# Altium PCB Main.PcbDoc (part 1 of 2) (continued)
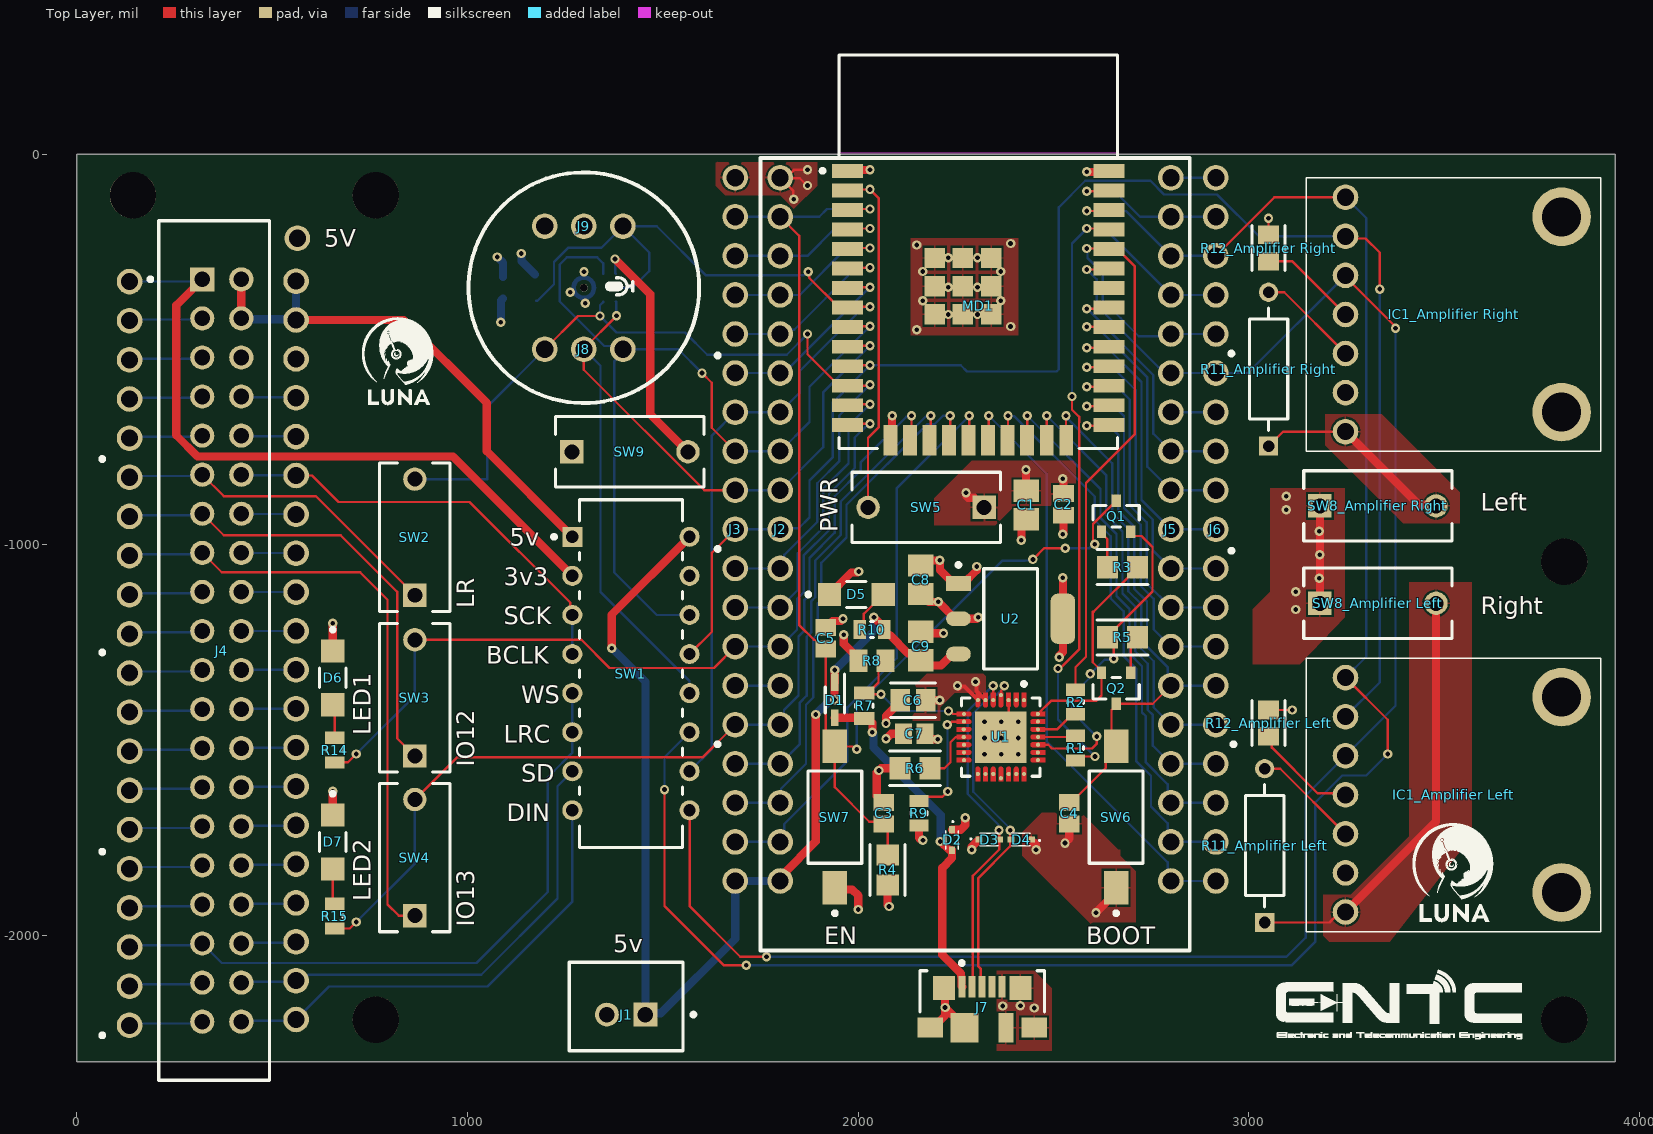
[diagram p0: Top Layer view]
## Components (designator, comment, footprint, x,y, rotation, side; value= is the part's Value field where it differs from the comment) (continued)
R9 "RT0805FRE072KL" RESC2013X60X35LL10T20 2155.04,-1686.57 r270 top value=2K
R10 "RT0805FRE072KL" RESC2013X60X35LL10T20 2035.04,-1216.57 r0 top value=2K
"R11_Amplifier Left" "TBD" FP-MRS25-MFG 3040.04,-1769.37 r90 top (schematic designator R11)
"R11_Amplifier Right" "TBD" FP-MRS25-MFG 3050.04,-550 r90 top (schematic designator R11)
"R12_Amplifier Left" "ERA-6AEB104V" FP-ERA6A-IPC_B 3050.04,-1455.87 r270 top (schematic designator R12)
"R12_Amplifier Right" "ERA-6AEB104V" FP-ERA6A-IPC_B 3050.04,-240 r270 top (schematic designator R12)
R13 "ERA-6AEB104V" FP-ERA6A-IPC_B 1175.47,-341.54 r90 bottom
R14 "RT0805FRE072KL" RESC2013X60X35LL10T20 660,-1525 r270 top value=2K
R15 "RT0805FRE072KL" RESC2013X60X35LL10T20 660,-1950 r270 top value=2K
SW1 "A6D-8103" FP-A6D-8103-MFG 1418.19,-1329.13 r0 top
SW2 "BD01" FP-BD01-MFG 865.04,-980 r0 top
SW3 "BD01" FP-BD01-MFG 865.04,-1391.38 r0 top
SW4 "BD01" FP-BD01-MFG 865.04,-1800 r0 top
SW5 "BD01" FP-BD01-MFG 2173.66,-903.86 r90 top
SW6 "FSMSM" TECO-FSMSM-2_V 2660.04,-1696.57 r90 top
SW7 "FSMSM" TECO-FSMSM-2_V 1940.04,-1696.57 r90 top
"SW8_Amplifier Left" "BD01" FP-BD01-MFG 3330.04,-1149.37 r270 top (schematic designator SW8)
"SW8_Amplifier Right" "BD01" FP-BD01-MFG 3330.04,-900 r270 top (schematic designator SW8)
SW9 "BD01" FP-BD01-MFG 1415.47,-761.54 r270 top
U1 "CP2102N-A01-GQFN28" FP-CP2102N-A01-GQFN28-MFG 2365.04,-1491.57 r270 top
U2 "AMS1117-3.3" FP-AMS1117-IPC_A 2390.04,-1188.86 r0 top
U3 "ICS-43434" FP-ICS-43434-MFG 1325.47,-341.54 r180 bottom

## Footprints (in the part's own frame and the unit in brackets; to place one, negate y for a bottom-side part, rotate by r counter-clockwise, add the part's x,y. Pads: shape width x height; smd on the part's side, far side on the other; paste and mask are expansions set on the pad)
"3 Pin Header" [mm]
  round 1.665 hole 1.11: 1(0,2.54) 2(0,0) 3(0,-2.54)
"19 Pin Header" [mm]
  round 1.665 hole 1.11: 1(0,22.86) 2(0,20.32) 3(0,17.78) 4(0,15.24) 5(0,12.7) 6(0,10.16) 7(0,7.62) 8(0,5.08) 9(0,2.54) 10(0,0) 11(0,-2.54) 12(0,-5.08) 13(0,-7.62) 14(0,-10.16) 15(0,-12.7) 16(0,-15.24) 17(0,-17.78) 18(0,-20.32) 19(0,-22.86)
3006 [mm]
  round 1.665 hole 1.11: 1(-7.62,2.46) 2(-5.08,2.46) 3(-2.54,2.46) 4(0,2.46) 5(2.54,2.46) 6(5.08,2.46) 7(7.62,2.46)
  round 3.81 hole 2.54: 8(-6.35,16.51) 9(6.35,16.51)
  silkscreen extent -8.89,-0.08 8.89,19.05, body extent -8.89,-0.08 8.89,19.05, height 3.1
CAPC2013X140X50LL20T25 [mm] "Chip Capacitor, 2-Leads, Body 2.00x1.25mm, IPC High Density"
  rect 1.1x1.35 smd: 1(-0.7,0) 2(0.7,0)
  body extent -1.1,-0.72 1.1,0.72, height 1.4
CAPC2014X150X70ML20 [mm] "Chip Capacitor, 2-Leads, Body 2.00x1.35mm, IPC Low Density"
  rect 1.45x1.65 smd: 1(-0.925,0) 2(0.925,0)
  body extent -1.1,-0.77 1.1,0.77, height 1.5
FP-473460001-MFG [mm]
  rect 0.45x1.38 smd paste+0 mask+0: 1(-1.3,2.31) 2(-0.65,2.31) 3(0,2.31) 4(0.65,2.31) 5(1.3,2.31)
  rect 1.425x1.55 smd paste+0 mask+0: 6(-2.488,2.225) 7(2.488,2.225)
  rect 1.65x1.3 smd paste+0 mask+0: 8(-3.375,-0.35) 11(3.375,-0.35)
  rect 1.8x1.9 smd paste+0 mask+0: 9(-1.15,-0.35)
  rect 1x1.9 smd paste+0 mask+0: 10(1.55,-0.35)
  silkscreen extent -4.05,0.67 4.05,3.97, body extent -4.3,-2.48 4.3,3.45, height 0.25
FP-A6D-8103-MFG [mm]
  rect 1.3x1.3 hole 0.8 paste-2539.97 mask+0: 1(-3.81,8.89)
  round 1.3 hole 0.8 paste-2539.97 mask+0: 2(-3.81,6.35) 3(-3.81,3.81) 4(-3.81,1.27) 5(-3.81,-1.27) 6(-3.81,-3.81) 7(-3.81,-6.35) 8(-3.81,-8.89) 9(3.81,-8.89) 10(3.81,-6.35) 11(3.81,-3.81) 12(3.81,-1.27) 13(3.81,1.27) 14(3.81,3.81) 15(3.81,6.35) 16(3.81,8.89)
  silkscreen extent -5.12,-11.3 3.35,11.3, body extent -4.56,-11.4 4.56,11.4, height 0.25
FP-AMS1117-IPC_A [mm]
  rect 1.604x0.952 smd paste+0 mask+0: 1(-3.395,2.29)
  rrect100% 1.604x0.952 smd paste+0 mask+0: 2(-3.395,0) 3(-3.395,-2.29)
  rrect59% 1.604x3.262 smd paste+0 mask+0: 4(3.395,0)
  silkscreen extent -3.52,-3.25 1.75,3.62, body extent -4.7,-3.75 4.7,3.75, height 0.25
FP-B2B-XH-A_LF_SN-MFG [mm]
  rect 1.55x1.55 hole 1 paste-2539.97 mask+0: 1(-1.25,0.525)
  round 1.55 hole 1 paste-2539.97 mask+0: 2(1.25,0.525)
  silkscreen extent -4.5,-2.88 3.7,2.88, body extent -3.8,-2.98 3.8,2.98, height 0.25
FP-BD01-MFG [mm]
  rect 1.52x1.52 hole 0.97 paste-2539.97 mask+0: 1(0,-3.775)
  round 1.52 hole 0.97 paste-2539.97 mask+0: 2(0,3.775)
  silkscreen extent -2.28,-4.82 2.28,4.82, body extent -2.38,-4.92 2.38,4.92, height 0.25
FP-CL21-IPC_B [mil]
  rect 49.4x57.33 smd paste+0 mask+0: 1(-32.51,0) 2(32.51,0)
  silkscreen extent -57,-44 57,44, body extent -67,-39 67,39, height 10
FP-CP2102N-A01-GQFN28-MFG [mm]
  round 0.27 smd paste+0 mask+0: 1(-2.4,1.5) 2(-2.4,1) 3(-2.4,0.5) 4(-2.725,0) 5(-2.4,-0.5) 6(-2.4,-1) 7(-2.4,-1.5) 8(-1.5,-2.4) 9(-1,-2.4) 10(-0.5,-2.416) 11(0,-2.416) 12(0.5,-2.4) 13(1,-2.4) 14(1.5,-2.4) 15(2.4,-1.5) 16(2.4,-1) 17(2.4,-0.5) 18(2.675,0) 19(2.4,0.5) 20(2.4,1) 21(2.4,1.5) 22(1.5,2.4) 23(1,2.4) 24(0.5,2.416) 25(0,2.416) 26(-0.5,2.4) 27(-1,2.4) 28(-1.5,2.4)
  rect 3.35x3.35 smd paste-1000 mask+0: 29(0,0)
  Top Layer region: -2.875,-0.85 -2.075,-0.85 -2.018,-0.861 -1.969,-0.894 -1.936,-0.943 -1.925,-1 -1.925,-1 -1.936,-1.057 -1.969,-1.106 -2.018,-1.139 -2.075,-1.15 -2.075,-1.15 -2.875,-1.15
  Top Layer region: -2.875,-1.35 -2.075,-1.35 -2.018,-1.361 -1.969,-1.394 -1.936,-1.443 -1.925,-1.5 -1.925,-1.5 -1.936,-1.557 -1.969,-1.606 -2.018,-1.639 -2.075,-1.65 -2.075,-1.65 -2.875,-1.65
  Top Layer region: -2.875,0.65 -2.075,0.65 -2.018,0.639 -1.969,0.606 -1.936,0.557 -1.925,0.5 -1.925,0.5 -1.936,0.443 -1.969,0.394 -2.018,0.361 -2.075,0.35 -2.075,0.35 -2.875,0.35
  Top Layer region: -2.875,0.15 -2.075,0.15 -2.018,0.139 -1.969,0.106 -1.936,0.057 -1.925,0 -1.925,0 -1.936,-0.057 -1.969,-0.106 -2.018,-0.139 -2.075,-0.15 -2.075,-0.15 -2.875,-0.15
  Top Layer region: -2.875,-0.35 -2.075,-0.35 -2.018,-0.361 -1.969,-0.394 -1.936,-0.443 -1.925,-0.5 -1.925,-0.5 -1.936,-0.557 -1.969,-0.606 -2.018,-0.639 -2.075,-0.65 -2.075,-0.65 -2.875,-0.65
  Top Layer region: -0.35,2.875 -0.35,2.075 -0.361,2.018 -0.394,1.969 -0.443,1.936 -0.5,1.925 -0.5,1.925 -0.557,1.936 -0.606,1.969 -0.639,2.018 -0.65,2.075 -0.65,2.075 -0.65,2.875
  Top Layer region: 0.15,2.875 0.15,2.075 0.139,2.018 0.106,1.969 0.057,1.936 0,1.925 0,1.925 -0.057,1.936 -0.106,1.969 -0.139,2.018 -0.15,2.075 -0.15,2.075 -0.15,2.875
  Top Layer region: 0.65,2.875 0.65,2.075 0.639,2.018 0.606,1.969 0.557,1.936 0.5,1.925 0.5,1.925 0.443,1.936 0.394,1.969 0.361,2.018 0.35,2.075 0.35,2.075 0.35,2.875
  Top Layer region: -2.875,1.15 -2.075,1.15 -2.018,1.139 -1.969,1.106 -1.936,1.057 -1.925,1 -1.925,1 -1.936,0.943 -1.969,0.894 -2.018,0.861 -2.075,0.85 -2.075,0.85 -2.875,0.85
  Top Layer region: -1.15,-2.875 -1.15,-2.075 -1.139,-2.018 -1.106,-1.969 -1.057,-1.936 -1,-1.925 -1,-1.925 -0.943,-1.936 -0.894,-1.969 -0.861,-2.018 -0.85,-2.075 -0.85,-2.075 -0.85,-2.875
  Top Layer region: -1.65,-2.875 -1.65,-2.075 -1.639,-2.018 -1.606,-1.969 -1.557,-1.936 -1.5,-1.925 -1.5,-1.925 -1.443,-1.936 -1.394,-1.969 -1.361,-2.018 -1.35,-2.075 -1.35,-2.075 -1.35,-2.875
  Top Layer region: -0.15,-2.875 -0.15,-2.075 -0.139,-2.018 -0.106,-1.969 -0.057,-1.936 0,-1.925 0,-1.925 0.057,-1.936 0.106,-1.969 0.139,-2.018 0.15,-2.075 0.15,-2.075 0.15,-2.875
  Top Layer region: -1.35,2.875 -1.35,2.075 -1.361,2.018 -1.394,1.969 -1.443,1.936 -1.5,1.925 -1.5,1.925 -1.557,1.936 -1.606,1.969 -1.639,2.018 -1.65,2.075 -1.65,2.075 -1.65,2.875
  Top Layer region: -0.85,2.875 -0.85,2.075 -0.861,2.018 -0.894,1.969 -0.943,1.936 -1,1.925 -1,1.925 -1.057,1.936 -1.106,1.969 -1.139,2.018 -1.15,2.075 -1.15,2.075 -1.15,2.875
  Top Layer region: -2.875,1.65 -2.075,1.65 -2.018,1.639 -1.969,1.606 -1.936,1.557 -1.925,1.5 -1.925,1.5 -1.936,1.443 -1.969,1.394 -2.018,1.361 -2.075,1.35 -2.075,1.35 -2.875,1.35
  Top Layer region: 1.15,2.875 1.15,2.075 1.139,2.018 1.106,1.969 1.057,1.936 1,1.925 1,1.925 0.943,1.936 0.894,1.969 0.861,2.018 0.85,2.075 0.85,2.075 0.85,2.875
  Top Layer region: 1.65,2.875 1.65,2.075 1.639,2.018 1.606,1.969 1.557,1.936 1.5,1.925 1.5,1.925 1.443,1.936 1.394,1.969 1.361,2.018 1.35,2.075 1.35,2.075 1.35,2.875
  Top Layer region: 2.875,1.35 2.075,1.35 2.018,1.361 1.969,1.394 1.936,1.443 1.925,1.5 1.925,1.5 1.936,1.557 1.969,1.606 2.018,1.639 2.075,1.65 2.075,1.65 2.875,1.65
  Top Layer region: 2.875,0.85 2.075,0.85 2.018,0.861 1.969,0.894 1.936,0.943 1.925,1 1.925,1 1.936,1.057 1.969,1.106 2.018,1.139 2.075,1.15 2.075,1.15 2.875,1.15
  Top Layer region: 2.875,0.35 2.075,0.35 2.018,0.361 1.969,0.394 1.936,0.443 1.925,0.5 1.925,0.5 1.936,0.557 1.969,0.606 2.018,0.639 2.075,0.65 2.075,0.65 2.875,0.65
  Top Layer region: 2.875,-0.15 2.075,-0.15 2.018,-0.139 1.969,-0.106 1.936,-0.057 1.925,0 1.925,0 1.936,0.057 1.969,0.106 2.018,0.139 2.075,0.15 2.075,0.15 2.875,0.15
  Top Layer region: 2.875,-0.65 2.075,-0.65 2.018,-0.639 1.969,-0.606 1.936,-0.557 1.925,-0.5 1.925,-0.5 1.936,-0.443 1.969,-0.394 2.018,-0.361 2.075,-0.35 2.075,-0.35 2.875,-0.35
  Top Layer region: 2.875,-1.15 2.075,-1.15 2.018,-1.139 1.969,-1.106 1.936,-1.057 1.925,-1 1.925,-1 1.936,-0.943 1.969,-0.894 2.018,-0.861 2.075,-0.85 2.075,-0.85 2.875,-0.85
  Top Layer region: 2.875,-1.65 2.075,-1.65 2.018,-1.639 1.969,-1.606 1.936,-1.557 1.925,-1.5 1.925,-1.5 1.936,-1.443 1.969,-1.394 2.018,-1.361 2.075,-1.35 2.075,-1.35 2.875,-1.35
  Top Layer region: 1.35,-2.875 1.35,-2.075 1.361,-2.018 1.394,-1.969 1.443,-1.936 1.5,-1.925 1.5,-1.925 1.557,-1.936 1.606,-1.969 1.639,-2.018 1.65,-2.075 1.65,-2.075 1.65,-2.875
  Top Layer region: 0.85,-2.875 0.85,-2.075 0.861,-2.018 0.894,-1.969 0.943,-1.936 1,-1.925 1,-1.925 1.057,-1.936 1.106,-1.969 1.139,-2.018 1.15,-2.075 1.15,-2.075 1.15,-2.875
  Top Layer region: 0.35,-2.875 0.35,-2.075 0.361,-2.018 0.394,-1.969 0.443,-1.936 0.5,-1.925 0.5,-1.925 0.557,-1.936 0.606,-1.969 0.639,-2.018 0.65,-2.075 0.65,-2.075 0.65,-2.875
  Top Layer region: -0.65,-2.875 -0.65,-2.075 -0.639,-2.018 -0.606,-1.969 -0.557,-1.936 -0.5,-1.925 -0.5,-1.925 -0.443,-1.936 -0.394,-1.969 -0.361,-2.018 -0.35,-2.075 -0.35,-2.075 -0.35,-2.875
  silkscreen extent -3.57,-2.55 2.55,2.55, body extent -2.98,-2.98 2.98,2.98, height 0.25
FP-ERA6A-IPC_B [mil]
  rect 47.43x53.63 smd paste+0 mask+0: 1(-33.5,0) 2(33.5,0)
  silkscreen extent -57,-43 57,43, body extent -67,-37 67,37, height 10
FP-ESP32-WROOM-32-MFG [mm]
  rect 2x0.9 smd paste+0 mask+0: 1(-8.5,5.26) 2(-8.5,3.99) 3(-8.5,2.72) 4(-8.5,1.45) 5(-8.5,0.18) 6(-8.5,-1.09) 7(-8.5,-2.36) 8(-8.5,-3.63) 9(-8.5,-4.9) 10(-8.5,-6.17) 11(-8.5,-7.44) 12(-8.5,-8.71) 13(-8.5,-9.98) 14(-8.5,-11.25) 25(8.5,-11.25) 26(8.5,-9.98) 27(8.5,-8.71) 28(8.5,-7.44) 29(8.5,-6.17) 30(8.5,-4.9) 31(8.5,-3.63) 32(8.5,-2.36) 33(8.5,-1.09) 34(8.5,0.18) 35(8.5,1.45) 36(8.5,2.72) 37(8.5,3.99) 38(8.5,5.26)
  rect 0.9x2 smd paste+0 mask+0: 15(-5.715,-12.25) 16(-4.445,-12.25) 17(-3.175,-12.25) 18(-1.905,-12.25) 19(-0.635,-12.25) 20(0.635,-12.25) 21(1.905,-12.25) 22(3.175,-12.25) 23(4.445,-12.25) 24(5.715,-12.25)
  rect 1.33x1.33 smd paste+0 mask+0: 39(-2.835,-4.075) 39(-2.835,-2.24) 39(-2.835,-0.405) 39(-1,-4.075) 39(-1,-2.24) 39(-1,-0.405) 39(0.835,-4.075) 39(0.835,-2.24) 39(0.835,-0.405)
  Keep-Out Layer region: -9,6.45 9,6.45 9,12.75 -9,12.75
  Keep-Out Layer region: -9,6.45 9,6.45 9,12.75 -9,12.75
  silkscreen extent -10.25,-12.8 9.05,12.8, body extent -9.6,-13.35 9.6,12.9, height 0.25
FP-HSMS-C150-MFG [mm]
  rect 1.5x1.5 smd paste+0 mask+0: 1(-1.75,0) 2(1.75,0)
  silkscreen extent -3.25,-0.85 0.63,0.85, body extent -2.6,-0.95 2.6,0.95, height 0.25
FP-ICS-43434-MFG [mm]
  rect 0.522x0.6 smd paste-1000 mask+0: 1(-1.364,-0.9) 2(-0.542,-0.9) 4(-0.542,0.9) 5(-1.364,0.9) 6(-1.364,0)
  round 1.178 smd paste-1000 mask-1000: 3(0.71,0)
  round 0.5 hole 0.5 unplated paste-2539.97 mask+0: ""(0.71,0)
  Top Layer circle w0.3: c0.71,0 r0.663
  silkscreen extent -2.33,-1.33 1.75,1.33, body extent -1.75,-1.33 1.75,1.33, height 0.98
FP-MRS25-MFG [mm]
  rect 1.25x1.25 hole 0.75 paste-2539.97 mask+0: 1(-5,0)
  round 1.25 hole 0.75 paste-2539.97 mask+0: 2(5,0)
  silkscreen extent -3.98,-1.25 3.98,1.25, body extent -5.72,-1.35 5.72,1.35, height 0.25
FP-RMCF0805-IPC_A [mil]
  rect 53.33x57.56 smd paste+0 mask+0: 1(-38.42,0) 2(38.42,0)
  silkscreen extent -65,-45 65,45, body extent -85,-48 85,48, height 10
FP-SFH11-PBPC-D20-ST-BK-MFG [mm]
  rect 1.57x1.57 hole 1.02 paste-2539.97 mask+0: 1(-24.13,-0.77)
  round 1.57 hole 1.02 paste-2539.97 mask+0: 2(-24.13,1.77) 3(-21.59,-0.77) 4(-21.59,1.77) 5(-19.05,-0.77) 6(-19.05,1.77) 7(-16.51,-0.77) 8(-16.51,1.77) 9(-13.97,-0.77) 10(-13.97,1.77) 11(-11.43,-0.77) 12(-11.43,1.77) 13(-8.89,-0.77) 14(-8.89,1.77) 15(-6.35,-0.77) 16(-6.35,1.77) 17(-3.81,-0.77) 18(-3.81,1.77) 19(-1.27,-0.77) 20(-1.27,1.77) 21(1.27,-0.77) 22(1.27,1.77) 23(3.81,-0.77) 24(3.81,1.77) 25(6.35,-0.77) 26(6.35,1.77) 27(8.89,-0.77) 28(8.89,1.77) 29(11.43,-0.77) 30(11.43,1.77) 31(13.97,-0.77) 32(13.97,1.77) 33(16.51,-0.77) 34(16.51,1.77) 35(19.05,-0.77) 36(19.05,1.77) 37(21.59,-0.77) 38(21.59,1.77) 39(24.13,-0.77) 40(24.13,1.77)
  silkscreen extent -27.94,-4.27 27.94,3.6, body extent -28.04,-3.7 28.04,3.7, height 0.25
FP-SS8050-G-MFG [mm]
  rect 0.8x0.6 smd paste+0 mask+0: 1(-1.01,0.95) 2(-1.01,-0.95) 3(1.01,0)
  silkscreen extent -0.7,-1.5 0.7,1.5, body extent -1.51,-1.6 1.51,1.6, height 0.25
LESD5D50CT1G [mm]
  rect 0.48x0.4 smd: 1(-0.66,0) 2(0.66,0)
  silkscreen extent -1.24,-0.4 0.6,0.4, body extent -0.8,-0.4 0.8,0.4, height 0.6
RESC2013X50X30LL20T20 [mm] "Chip Resistor, 2-Leads, Body 2.00x1.25mm, IPC High Density"
  rect 0.85x1.35 smd: 1(-0.825,0) 2(0.825,0)
  silkscreen extent -0.1,-0.58 0.1,0.58, body extent -1.1,-0.72 1.1,0.72, height 0.5
RESC2013X60X35LL10T20 [mm] "Chip Resistor, 2-Leads, Body 2.1x1.35mm, IPC High Density"
  rect 0.8x1.25 smd: 1(-0.8,0) 2(0.8,0)
  silkscreen extent -0.1,-0.53 0.1,0.53, body extent -1.05,-0.67 1.05,0.68, height 0.6
RESC2013X70X40NL20T20 [mm] "Chip Resistor, 2-Leads, Body 2.00x1.25mm, IPC Medium Density"
  rect 1.15x1.45 smd: 1(-0.875,0) 2(0.875,0)
  body extent -1.1,-0.72 1.1,0.72, height 0.7
SOD2512X110N [mm]
  rect 1.1x0.5 smd: 1(-1.15,0) 2(1.15,0)
  silkscreen extent -1.7,-0.63 0.85,0.63, body extent -1.24,-0.62 1.24,0.63, height 0.93
TECO-FSMSM-2_V [mm] "SMD, 2-Leads, Body 6x3.5mm, Pitch 9.19mm"
  rect 2.2x1.6 smd: 1(-4.595,0)
  rect 2.18x1.6 smd: 2(4.595,0)
  silkscreen extent -6.37,-1.75 3,1.75, body extent -4.98,-1.75 4.98,1.75, height 4.4

## Part data
C1 C8 C9: library part CMP-2007-00033-1, "22uF 10V 20% Tantalum 0805", Manufacturer="AVX Interconnect / Elco", Part Number=TACR226M010XTA
C2 C3 C4 C5 C7 C10: library part CMP-2007-04784-1, "100nF 0805 Ceramic 50V 10%", Manufacturer="AVX Interconnect / Elco", Part Number=08055F104KAT2A
C6: library part CMP-13271-001343-1, "CL21 Series 0805 4.7uF 6.3V ±10% Tolerance X5R Multilayer Ceramic Chip Capacitor", Capacitance=4.7uF, Case/Package=0805, Dielectric=X5R, Max Operating Temperature=85°C, Min Operating Temperature=-55°C, Package Quantity=10000, Tolerance=10%, Voltage Rating=6.3V, Depth=1.25mm, Height=1.25mm, Length=2mm, Mount="Surface Mount", Packaging="Tape and Reel", Radiation Hardening=No, Thickness=0.053inch, Width=0.049inch
D1: library part BAT760,115, "Schottky Diode", Manufacturer_Name=Nexperia, Mouser Part Number=771-BAT760-T/R, Arrow Part Number=BAT760,115, Arrow Price/Stock=https://www.arrow.com/en/products/bat760115/nexperia?region=europe, Datasheet Link=https://assets.nexperia.com/documents/data-sheet/BAT760.pdf, Height=1.1mm, Manufacturer_Part_Number=BAT760,115, Mouser Price/Stock=https://www.mouser.co.uk/ProductDetail/Nexperia/BAT760115?qs=me8TqzrmIYUT08NCquDVCQ%3D%3D
D2 D3 D4: "TVS Diode (Bi-directional)", Manufacturer_Name=LRC, Height=0.7mm, Manufacturer_Part_Number=LESD5D5.0CT1G
D5 D6 D7: library part CMP-21615-000001-1, "LED RED", Case Code (Imperial)=1206, Case Code (Metric)=3216, Color="RED LED", Forward Current=20mA, Forward Voltage=2.1V, Illumination Color=Red, Lens Color=White, Max Operating Temperature=85°C, Min Operating Temperature=-40°C, Package Quantity=1, Power Dissipation=65mW, Reverse Voltage=5V, Case/Package=1206, Depth=1.6mm, Dominant Wavelength=626nm, Height=1.1mm, Lead Free="Lead Free", Length=3.2mm, Lens Style=Rectangular, Lens Transparency=Diffused, Luminous Intensity=10mcd, Mount="Surface Mount", Number of Elements=1, Number of LEDs=1, Number of Pins=2, Packaging="Tape and Reel", Power Rating=65mW, Radiation Hardening=No, REACH SVHC="No SVHC", Test Current=20mA, Viewing Angle=170°, Wavelength=626nm, Width=1.6mm
"IC1_Amplifier Left" "IC1_Amplifier Right": library part 3006, "Integrated Circuit", Manufacturer_Name=Adafruit, Mouser Part Number=485-3006, Arrow Part Number=3006, Arrow Price/Stock=https://www.arrow.com/en/products/3006/adafruit-industries, Datasheet Link=https://cdn-learn.adafruit.com/downloads/pdf/adafruit-max98357-i2s-class-d-mono-amp.pdf, Height=3mm, Manufacturer_Part_Number=3006, Mouser Price/Stock=https://www.mouser.co.uk/ProductDetail/Adafruit/3006?qs=SV%252B0z0o3NTtodS8r%2Ftqo5A%3D%3D
J1: library part CMP-2000-05888-3, "CONN HEADER VERT 2POS 2.5MM", Color=Natural, Contact Resistance=20mR, Current Rating=3A, Housing Color=White, Insulation Resistance=1GR, Max Operating Temperature=85°C, Max Voltage Rating (AC)=250V, Min Operating Temperature=-25°C, Connector Type="Male Pin", Contact Material=Brass, Contact Plating=Tin, Contact Type="Male Pin", Depth=5.75mm, Fastening Type=Detent, Housing Material=Polyamide, Lead Free="Lead Free", Lead Pitch=2.5mm, Length=7.4mm, Max Current Rating=3A, Max Voltage Rating (DC)=250V, Mount="Through Hole", Number of Contacts=2, Number of Positions=2, Number of Rows=1, Orientation=Straight, Packaging=Bulk, Pitch=2.5mm, REACH SVHC="No SVHC", Series=XH, Termination=Solder, Voltage Rating=250V, Voltage Rating (AC)=250V, Wire/Cable Gauge=22AWG
J4: library part CMP-25680-000025-1, "CONN HDR 40POS 0.1 GOLD PCB", Color=Black, Package Quantity=1, Connector Type=Header, Contact Plating=Gold, Lead Free="Lead Free", Mount="Through Hole", Number of Positions=40, Number of Rows=2, Packaging=Tray, Pitch=0.1inch, Row Spacing=0.1inch, Termination=Solder
J7: library part CMP-2000-05246-2, "CONN RCPT USB2.0 MICRO B SMD R/A", Current Rating=1.8A, Manufacturer=Molex, Manufacturer Part Number=473460001, Package=0, Temperature="-30°C to +85°C", Temperature Range High=+85°C, Temperature Range Low=-30°C, Voltage Rating=30V, Automotive=No, Category=Conn, ComponentLink2Description=Datasheet, ComponentLink2URL=https://www.molex.com/webdocs/datasheets/pdf/en-us/0473460001_IO_CONNECTORS.pdf, Conn Orientation="Right Angle", Contact Material=Gold,Nickel, Device Class L1=Connectors, Device Class L2="USB Connectors", Device Class L3=unset, Digikey Description="CONN RCPT USB2.0 MICRO B SMD R/A", Footprint Url=https://www.molex.com/pdm_docs/sd/473460001_sd.pdf, Height=2.945mm, Is Female=yes, Lead Free=Yes, Number of Contacts=5, Octopart=https://octopart.com/47346-0001-molex-7164928, Pitch=0.65mm, RoHS=TRUE, Shielding=true, USB Standard="USB 2.0"
MD1: library part CMP-194065-000008-1, "RX TXRX MOD WIFI SURFACE MOUNT", Case/Package=SMD/SMT, Frequency=2.5GHz, Max Operating Temperature=85°C, Min Operating Temperature=-40°C, Operating Supply Voltage=3.6V, Package Quantity=550, Data Rate=150Mbps, Mount="Surface Mount", Packaging="Cut Tape", Sensitivity=-98dBm, Weight=0.088185oz
Q1 Q2: library part CMP-20235-000001-1, "NPN TRANSISTOR 1.5A 40V SOT-23 R", Case/Package=TO-236-3, Collector Emitter Breakdown Voltage=25V, Collector Emitter Voltage (VCEO)=400mV, Max Collector Current=1.5A, Max Power Dissipation=300mW, Transition Frequency=100MHz, Max Breakdown Voltage=25V, Mount="Surface Mount", Packaging="Tape and Reel", RoHS Compliant=Yes
R1 R2: library part CMP-2000-06963-1, "Chip Resistor, 0 Ohm, +/- 5%, 125 mW, -55 to 155 degC, 0805 (2012 Metric), RoHS, Tape and Reel", Case Style=Molded, Manufacturer=Yageo, Operating Temp Range=-55Cto155C, Package / Case=0805, Package Description="2-Pin Surface Mounted Device, Body 2 x 1.25 mm", Power Rating(s)=NotRequiredW, Temperature Coefficient=NotRequired, Construction=Rectangular, Datasheet URL=http://www.yageo.com/documents/recent/PYu-RC_Group_51_RoHS_L_7.pdf, Datasheet Version="Rev. 7, 05/2017", Failure Rate=NotRequired, Manufacturer URL=http://www.yageo.com/, Military Standard=NotRequired, Mounting Technology=SurfaceMount, Package Reference=0805, Packaging=TapeandReel, Product Depth (mm)=1.25mm, Product Height (mm)=0.5mm, Product Length (mm)=2mm, Termination Style=NotRequired, Tolerance (+ or -)=NotRequired, Type=ThickFilm
R3 R4 R5 R6: library part CMP-26527-002663-1, "10kΩ ±5% 0.125W 0805 Thick Film Chip Resistor AEC-Q200 compliant", Case Code (Imperial)=0805, Case Code (Metric)=2012, Max Operating Temperature=155°C, Max Power Dissipation=125mW, Min Operating Temperature=-55°C, Resistance=10K, Resistor Type="Thick Film", Temperature Coefficient=100ppm/°C, Tolerance=5%, Case/Package=0805, Construction=Rectangular, Contact Plating=Tin, Depth=1.25mm, Features="Automotive AEC-Q200", Height=0.026inch, Lead Free="Lead Free", Length=2mm, Military Standard=Not, Mount="Surface Mount", Number of Terminations=2, Packaging="Tape and Reel", Power Rating=125mW, Radiation Hardening=No, RoHS Compliant=Yes, Series=RMCF, Size Code=0805, Width=0.049inch
R7: library part CMP-1013-00660-2, "22.1K 0805 5%", Manufacturer="Vishay Dale", Part Number=CRCW080522K1FKTA
R8: library part CMP-1013-00700-2, "47.5K 0805 5%", Manufacturer=Panasonic, Part Number=ERJ-6ENF4752V
R9 R10 R14 R15: library part CMP-2001-01475-1, Manufacturer=Yageo, Part Number=RT0805FRE072KL
"R11_Amplifier Left" "R11_Amplifier Right": library part CMP-00030-42757237-1, "MRS25000C1000FRP00 Resistor, 100 Ohm, ± 1%, 600 mW, Axial Leaded, Metal Film (Thin Film), Professional", Case/Package=Axial, Max Operating Temperature=155°C, Max Power Dissipation=600mW, Min Operating Temperature=-55°C, Resistance=100Ω, Temperature Coefficient=50ppm/°C, Tolerance=1%, Voltage Rating=350V, Composition="Metal Film, Thin Film", Contact Plating=Tin, Diameter=2.5mm, Lead Diameter=600µm, Lead Free="Lead Free", Length=6.5mm, Military Standard=Not, Mount="Through Hole", NexarPartId=42757237, Number of Pins=2, Number of Terminations=2, Packaging="Tape & Reel (TR)", Power Rating=600mW, Radiation Hardening=No, REACH SVHC=Unknown, RoHS=Compliant, Schedule B="8533210090, 8533210090", Termination=Axial, Voltage Rating (DC)=350V, Width=2.5mm
"R12_Amplifier Left" "R12_Amplifier Right" R13: library part CMP-2001-00583-2, "RES 100K OHM 0.1% 1/8W 0805", Case Code (Imperial)=0805, Case Code (Metric)=2012, Max Operating Temperature=155°C, Max Power Dissipation=125mW, Min Operating Temperature=-55°C, Package Quantity=1, Resistance=100K, Resistance Tolerance=0.1%, Resistor Type="Thin Film", Temperature Coefficient=25ppm/°C, Voltage Rating=100V, Case/Package=0805, Construction=Rectangular, Contact Plating=Tin, Depth=1.25mm, Features="Automotive AEC-Q200", Height=0.5mm, Lead Free="Lead Free", Length=2mm, Military Standard=Not, Mount="Surface Mount", Number of Pins=2, Number of Terminations=2, Packaging="Tape and Reel", Power Rating=125mW, Radiation Hardening=No, REACH SVHC="No SVHC", RoHS Compliant=Yes, Series=ERA-6A, Size Code=0805, Technology="METAL FILM", Termination=Solder, Tolerance=0.1%, Voltage Rating (DC)=100V, Width=1.25mm
SW1: library part CMP-08827-000003-1, "SWITCH SLIDE DIP SPST 30MA 30V", Ambient Temperature Range High=+70°C, Ambient Temperature Range Low=-20°C, Contact Current Rating=30mA, Contact Resistance=100mΩ, Manufacturer="Omron Electronics Inc-EMC Div", Package=0, Temperature="-20°C to +70°C", Automotive=No, Category=Switch, ComponentLink2Description=Datasheet, ComponentLink2URL=https://omronfs.omron.com/en_US/ecb/products/pdf/en-a6d_a6dr.pdf, Device Class L1=Electromechanical, Device Class L2=Switches, Device Class L3="DIP Switches", Digikey Description="SWITCH SLIDE DIP SPST 30MA 30V", Electromechanical Life=2000Cycles, Lead Free=Yes, Manufacturer Part Number=A6D-8103, Mount="Through Hole", Mouser Description="DIP Switches / SIP Switches 8 Pins Sealed Raised Actuator", Number Of Circuits=8, Octopart=https://octopart.com/a6d-8103-omron-134189, RoHS=TRUE, Standoff Height=0.7mm, Temperature Range High=+70°C, Temperature Range Low=-20°C, Throw Configuration=8PST
SW2 SW3 SW4 SW5 "SW8_Amplifier Left" "SW8_Amplifier Right" SW9: library part CMP-10033-000004-1, "SWITCH SLIDE DIP SPST 100MA 5V", Capacitance=5pF, Case/Package=DIP, Contact Current Rating=25mA, Current Rating=100mA, Max Operating Temperature=85°C, Max Voltage Rating (DC)=25V, Min Operating Temperature=-40°C, Package Quantity=115, Voltage Rating (DC)=5V, Actuator Length=0.9mm, Actuator Material=Nylon, Actuator Type="Slide (Standard)", Approvals=UL, Body Material=PBT, Contact Material=Bronze, Contact Plating=Gold, Depth=9.65mm, Electrical Life=10000Cycles, Lead Free="Lead Free", Length=0.18inch, Life (Cycles)=10000Cycles, Material=Nylon, Max Current Rating=100mA, Mechanical Life=10000Cycles, Mount="Through Hole", Number Of Circuits=1, Number of Poles=1, Number of Positions=1, Orientation=Straight, Packaging=Rail/Tube, Pitch=0.1inch, Radiation Hardening=No, REACH SVHC="No SVHC", RoHS Compliant=Yes, Series=BD, Terminal Pitch=2.54mm, Termination="PC Pin", Throw Configuration=SPST, Washable=Yes, Width=9.65mm
SW6 SW7: library part CMP-2000-07511-1, "FSMSM Push Button Switch, 50 mA, -35 to 85 degC, 2-Pin SMD, RoHS, Bulk", Case\/Package=SMD/SMT, Contact Current Rating=50mA, Contact Resistance=100mOhm, Manufacturer="TE Connectivity", Max Operating Temperature=85degC, Max Voltage Rating (DC)=12V, Min Operating Temperature=-35degC, Operating Force=180gf, Package Description="2-Pin Surface Mount Device, Body 6 x 3.5 mm, Pitch 9.19 mm", Package Quantity=1000, Voltage Rating (DC)=24V, Actuator Length=1.07mm, Actuator Material=Polyamide, Contact Material=Brass, Contact Plating=Silver, Current Rating=50mA, Datasheet URL=http://www.te.com/commerce/DocumentDelivery/DDEController?Action=showdoc&DocId=Customer+Drawing%7F1437566-3%7FC2%7Fpdf%7FEnglish%7FENG_CD_1437566-3_C2_1437566_3_1_c.dwg.pdf%7F1437566-3, Datasheet Version="Rev. C2, 08/2014", Electrical Life=20000Cycles, ELV=Compliant, Illumination Type=Illuminated, Lead Free=LeadFree, Manufacturer URL=http://www.te.com/, Mechanical Life=20000Cycles, Mount=SurfaceMount, Mounting Technology=SurfaceMount, Orientation=Straight, Package Reference=FSMSM, Packaging=LoosePiece, REACH SVHC=Unknown, RoHSCompliant=true, Switch Travel=0.25mm, Termination=GullWing, Throw Configuration=SPST
U1: library part CMP-08093-000004-1, "IC BRIDGE USB TO UART 28QFN", Ambient Temperature Range High=+85°C, Ambient Temperature Range Low=-40°C, Manufacturer="Silicon Labs", Max Junction Temp=+105°C, Max Supply Voltage=5.25V, Min Supply Voltage=1.71V, Nominal Supply Current=195-13700uA, Temperature="-40°C to +85°C", Automotive=No, Category=IC, ComponentLink2Description=Datasheet, ComponentLink2URL=https://media.digikey.com/pdf/Data%20Sheets/Silicon%20Laboratories%20PDFs/CP2102N_Rev.1.3_DS.pdf, Device Class L1="Integrated Circuits (ICs)", Device Class L2="Interface ICs", Device Class L3="USB Interface ICs", Digikey Description="IC BRIDGE USB TO UART 28QFN", Height=0.8mm, Interface=UART,USB,RS-232,RS-485, Ipc Land Pattern Name=QFN50P500X500X75-28, Lead Free=Yes, Manufacturer Part Number=CP2102N-A01-GQFN28, Mouser Description="IC BRIDGE USB TO UART 28QFN", Number Of Ports=1, Octopart=https://octopart.com/cp2102n-a01-gqfn28-silicon+labs-74636024, Package=CP2102N-A01-GQFN28, RoHS=TRUE, Standoff Height=0mm, Temperature Range High=+85°C, Temperature Range Low=-40°C, USB Standard="USB 2.0"
U2: library part CMP-209535-000001-1, "LDO Voltage Regulators 1A, 3.3V", Dropout Voltage=1.1V, Manufacturer="Advanced Monolithic Systems", Max Junction Temp=+125°C, Max Power Dissipation=1.2W, Max Supply Voltage=15V, Nominal Supply Current=5mA, Output Current=1A, Output Voltage=3.3V, Package=AMS1117, Temperature="-40°C to +125°C", Temperature Range Low=-40°C, Automotive=No, Category=IC, ComponentLink2Description=Datasheet, ComponentLink2URL=http://www.advanced-monolithic.com/pdf/ds1117.pdf, Device Class L1="Integrated Circuits (ICs)", Device Class L2="Power Management ICs", Device Class L3="Voltage Regulators - Linear", Height=1.8mm, Ipc Land Pattern Name=SOT229P700X180-4, Lead Free=Yes, Manufacturer Part Number=AMS1117-3.3, Number Of Outputs=1, Octopart=https://octopart.com/ams1117-3.3-advanced+monolithic+systems-25899300, Output Type=Fixed, RoHS=TRUE, Standoff Height=0.64mm, Temperature Range High=+125°C
U3: library part CMP-03292-71346757-1, "ICS-43434 Mic Omni-Directional -26dB 3.63V Rectangular Solder Pad T/R", Max Operating Temperature=85°C, Max Supply Voltage=3.63V, Min Operating Temperature=-40°C, Min Supply Voltage=1.65V, Operating Supply Current=550µA, Direction=Omnidirectional, Height=980µm, Length=3.5mm, Lifecycle Status=Production, Max Length=3.6mm, Max Thickness=1.08mm, Max Width=2.75mm, Min Length=3.4mm, Min Thickness=880µm, Min Width=2.55mm, NexarPartId=71346757, Output Type=Digital, RoHS=Compliant, Schedule B=8518100000, Width=2.65mm

## Free pads (board coordinates)
  round 65.55 hole 43.7: 1(134.88,-325.79) 2(561.06,-324.8) 3(134.88,-425.97) 4(561.06,-424.27) 5(134.88,-526.16) 6(561.06,-523.73) 7(134.88,-626.35) 8(561.06,-623.19) 9(134.88,-726.53) 10(561.06,-722.65) 11(134.88,-826.72) 12(561.06,-822.11) 13(134.88,-926.91) 14(561.06,-921.57) 15(134.88,-1027.09) 16(561.06,-1021.03) 17(134.88,-1127.28) 18(561.06,-1120.49) 19(134.88,-1227.46) 20(561.06,-1219.95) 21(134.88,-1327.65) 22(561.06,-1319.42) 23(134.88,-1427.84) 24(561.06,-1418.88) 25(134.88,-1528.02) 26(561.06,-1518.34) 27(134.88,-1628.21) 28(561.06,-1617.8) 29(134.88,-1728.4) 30(561.06,-1717.26) 31(134.88,-1828.58) 32(561.06,-1816.72) 33(134.88,-1928.77) 34(561.06,-1916.18) 35(134.88,-2028.96) 36(561.06,-2015.64) 37(134.88,-2129.14) 38(561.06,-2115.11) 39(134.88,-2229.33) 40(561.06,-2214.57) 41(564.41,-215)
  round 118.11 hole 118.11: 43(3807,-1043) 44(3807,-2215) 45(143.41,-105) 46(765,-2215) 47(765,-105)

## Via types
v1: diameter 24, hole 12, Top Layer to Bottom Layer, 153 vias

## Nets (pads, with @x,y where several pads share a name; then routed paths per layer and width w, separated by ;. In a path a pad name is that pad's centre, name@x,y a point inside that pad or via, vN(x,y) a via of type N, cw(c..) or ccw(c..) an arc to the next point about the centre after c; other vN are vias at no path point)
3: J4.3 pad.3 | length 188.5
  Bottom Layer w6: pad.3@134.88,-425.97 137.83,-423.03 317.96,-423.03 J4.3@320.91,-420.08
5: J4.5 pad.5 | length 188.5
  Bottom Layer w6: pad.5@134.88,-526.16 137.92,-523.12 317.86,-523.12 J4.5@320.91,-520.08
7: J4.7 pad.7 | length 188.6
  Bottom Layer w6: pad.7@134.88,-626.35 138.02,-623.21 317.77,-623.21 J4.7@320.91,-620.08
8: J4.8 pad.8 | length 141.4
  Bottom Layer w6: J4.8@420.91,-620.08 422.46,-621.63 559.51,-621.63 pad.8@561.06,-623.19
9: J4.9 pad.9 | length 188.7
  Bottom Layer w6: pad.9@134.88,-726.53 138.11,-723.31 317.68,-723.31 J4.9@320.91,-720.08
10: J4.10 pad.10 | length 141.2
  Bottom Layer w6: J4.10@420.91,-720.08 422.19,-721.36 559.78,-721.36 pad.10@561.06,-722.65
14: J4.14 pad.14 | length 140.8
  Bottom Layer w6: J4.14@420.91,-920.08 421.65,-920.82 560.32,-920.82 pad.14@561.06,-921.57
16: J4.16 pad.16 | length 140.6
  Bottom Layer w6: J4.16@420.91,-1020.08 421.38,-1020.56 560.59,-1020.56 pad.16@561.06,-1021.03
17: J4.17 pad.17 | length 189
  Bottom Layer w6: pad.17@134.88,-1127.28 138.48,-1123.68 317.31,-1123.68 J4.17@320.91,-1120.08
18: J4.18 pad.18 | length 140.3
  Bottom Layer w6: J4.18@420.91,-1120.08 421.11,-1120.29 560.86,-1120.29 pad.18@561.06,-1120.49
19: J4.19 pad.19 | length 189.1
  Bottom Layer w6: pad.19@134.88,-1227.46 138.57,-1223.77 317.21,-1223.77 J4.19@320.91,-1220.08
20: J4.20 pad.20 | length 140.2
  Bottom Layer w6: J4.20@420.91,-1220.08 420.97,-1220.02 pad.20@561.06,-1219.95 pad.20@561.06,-1219.95
21: J4.21 pad.21 | length 189.2
  Bottom Layer w6: pad.21@134.88,-1327.65 138.67,-1323.86 317.12,-1323.86 J4.21@320.91,-1320.08
22: J4.22 pad.22 | length 140.4
  Bottom Layer w6: J4.22@420.91,-1320.08 421.24,-1319.75 560.73,-1319.75 pad.22@561.06,-1319.42
23: J4.23 pad.23 | length 189.2
  Bottom Layer w6: pad.23@134.88,-1427.84 138.76,-1423.96 317.03,-1423.96 J4.23@320.91,-1420.08
24: J4.24 pad.24 | length 140.7
  Bottom Layer w6: J4.24@420.91,-1420.08 421.51,-1419.48 560.46,-1419.48 pad.24@561.06,-1418.88
25: J4.25 pad.25 | length 189.3
  Bottom Layer w6: pad.25@134.88,-1528.02 138.85,-1524.05 316.93,-1524.05 J4.25@320.91,-1520.08
26: J4.26 pad.26 | length 140.9
  Bottom Layer w6: J4.26@420.91,-1520.08 421.78,-1519.21 560.19,-1519.21 pad.26@561.06,-1518.34
27: J4.27 pad.27 | length 189.4
  Bottom Layer w6: pad.27@134.88,-1628.21 138.95,-1624.14 316.84,-1624.14 J4.27@320.91,-1620.08
28: J4.28 pad.28 | length 141.1
  Bottom Layer w6: J4.28@420.91,-1620.08 422.04,-1618.94 559.92,-1618.94 pad.28@561.06,-1617.8
29: J4.29 pad.29 | length 189.5
  Bottom Layer w6: pad.29@134.88,-1728.4 139.04,-1724.24 316.75,-1724.24 J4.29@320.91,-1720.08
30: J4.30 pad.30 | length 141.3
  Bottom Layer w6: J4.30@420.91,-1720.08 422.31,-1718.67 559.65,-1718.67 pad.30@561.06,-1717.26
31: J4.31 pad.31 | length 189.5
  Bottom Layer w6: pad.31@134.88,-1828.58 139.13,-1824.33 316.65,-1824.33 J4.31@320.91,-1820.08
32: J4.32 pad.32 | length 141.5
  Bottom Layer w6: J4.32@420.91,-1820.08 422.58,-1818.4 559.38,-1818.4 pad.32@561.06,-1816.72
33: J4.33 pad.33 | length 189.6
  Bottom Layer w6: pad.33@134.88,-1928.77 139.23,-1924.42 316.56,-1924.42 J4.33@320.91,-1920.08
34: J4.34 pad.34 | length 141.8
  Bottom Layer w6: J4.34@420.91,-1920.08 422.85,-1918.13 559.12,-1918.13 pad.34@561.06,-1916.18
36: J4.36 pad.36 | length 142
  Bottom Layer w6: J4.36@420.91,-2020.08 423.12,-2017.86 558.85,-2017.86 pad.36@561.06,-2015.64
37: J4.37 pad.37 | length 189.8
  Bottom Layer w6: pad.37@134.88,-2129.14 139.41,-2124.61 316.37,-2124.61 J4.37@320.91,-2120.08
39: J4.39 pad.39 | length 189.9
  Bottom Layer w6: pad.39@134.88,-2229.33 139.51,-2224.7 316.28,-2224.7 J4.39@320.91,-2220.08